# KiCad board Monorail_Diesel_Reduced.kicad_pcb (continued)
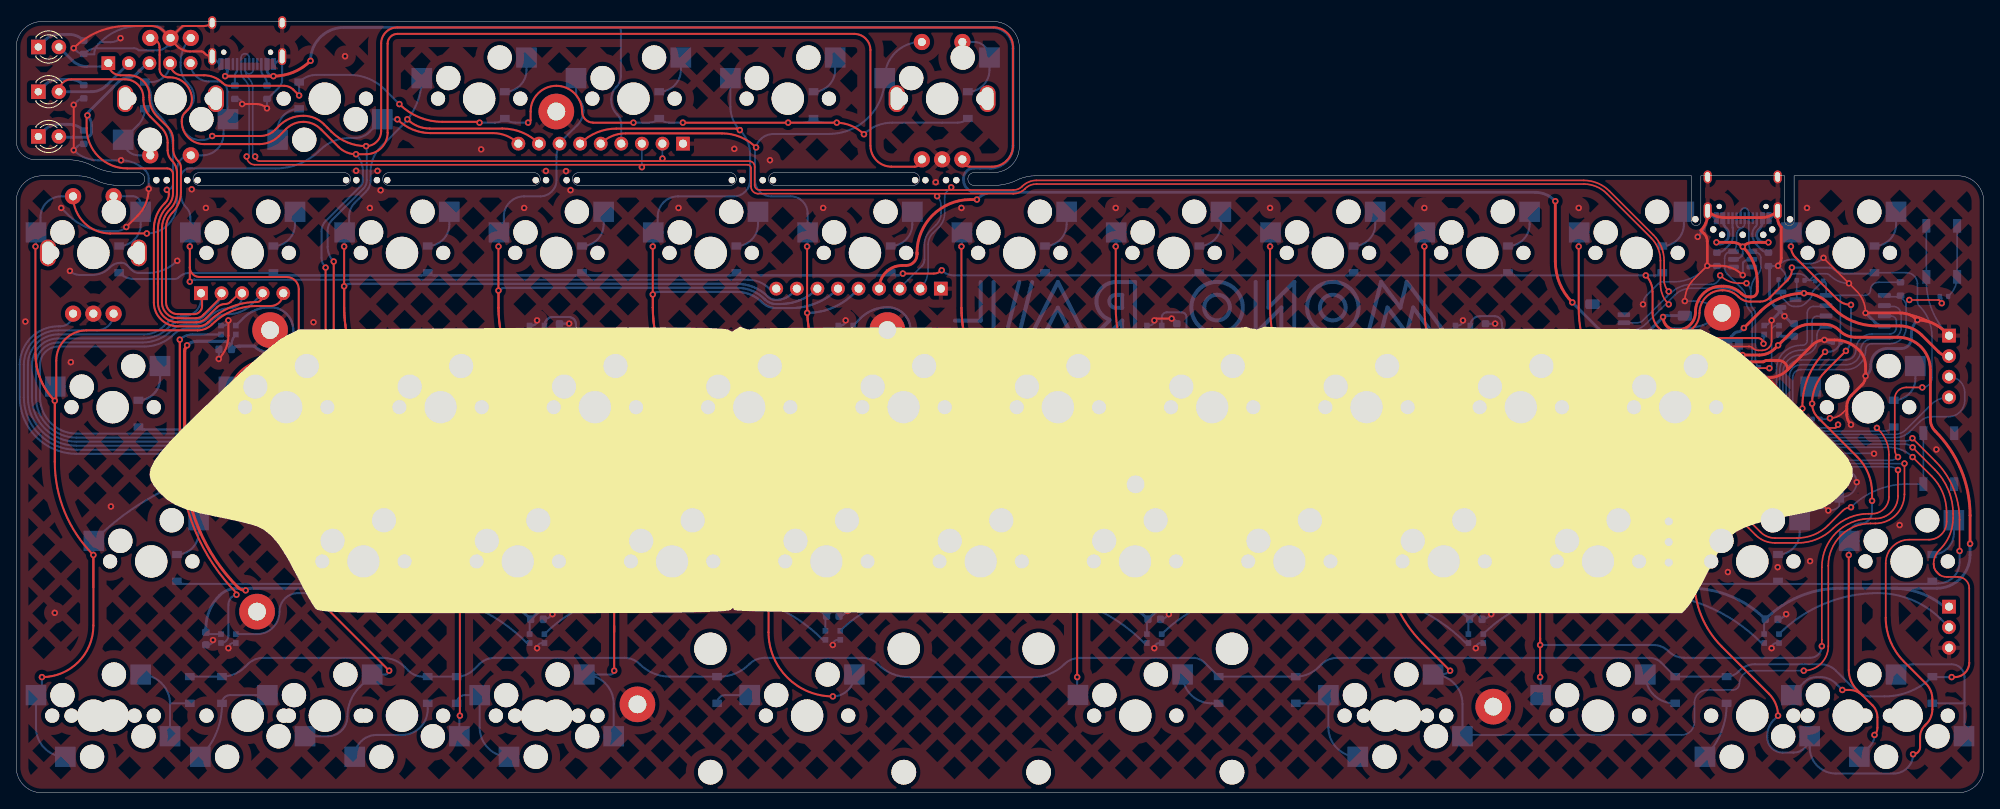
[diagram p0: board, top side]
## Routing (per net, layer and track width the routed paths; a pad name or vN(x,y) marks a point on that pad's centre or on a via; arc(x,y) is an arc through that point) (continued)
COL5: length 269.9
  Top w0.25: v1(111.92,29.37) 109.13,32.16 arc(104.14,39.62) v1(102.39,48.42) arc(98.87,53.69) 97.63,59.92 v1(97.63,67.47) ; 97.64,59.92 arc(98.88,53.69) 102.4,48.42 arc(104.15,39.62) 109.14,32.16 ; J2.5 arc(73.56,81.11) 75.22,81.44 87.14,81.44 arc(89.41,80.99) v1(91.33,79.7)
  Bottom w0.2: 203.69,38.36 207.13,38.36 arc(207.84,38.5) 208.43,38.9 arc(209.1,39.34) 209.88,39.5 211.42,39.5 arc(212.41,39.7) U4.29
  Bottom w0.25: 103.99,62.26 103.37,61.64 arc(100.75,59.89) 97.65,59.27 ; MX37.1 111.98,29.51 arc(111.96,29.43) v1(111.92,29.37) ; 102.46,50.16 102.46,48.56 arc(102.45,48.48) 102.4,48.42 ; 203.69,38.36 143.87,38.36 arc(141.78,38.78) 140.01,39.96 arc(139.24,40.48) 138.32,40.66 138.1,40.66 arc(137.19,40.48) 136.41,39.96 arc(134.64,38.78) 132.55,38.36 129.49,38.36 ; SW1.S2 111.67,92.72 arc(108.52,91.42) MX1.1 arc(105.19,83.38) 100.31,81.36 93.49,81.36 arc(91.87,80.69) 91.19,79.06 91.19,75.66 arc(91.78,74.25) 93.19,73.66 95.59,73.66 arc(97.08,73.05) 97.69,71.57 MX13.1 97.69,67.61 arc(97.67,67.53) v1(97.63,67.47) ; MX25.1 102.45,48.56 arc(102.44,48.48) v1(102.39,48.42) ; J3.5 103.36,61.64 arc(100.74,59.89) v1(97.64,59.27) ; 111.99,31.11 arc(120.02,36.48) 129.48,38.36 132.54,38.36 arc(134.63,38.78) 136.4,39.96
COL6: length 189.1
  Top w0.25: v1(116.68,67.47) 116.68,59.92 arc(117.92,53.69) v1(121.44,48.42) arc(123.19,39.62) 128.18,32.16 v1(130.97,29.37) v1(130.97,14.29) ; 116.69,59.92 arc(117.93,53.69) 121.45,48.42 arc(123.2,39.62) 128.19,32.16
  Bottom w0.2: 203.69,37.86 207.09,37.86 arc(207.93,38.03) 208.63,38.5 arc(209.3,38.94) 210.08,39.1 213.3,39.1 arc(213.73,39.19) U4.28
  Bottom w0.25: 203.69,37.86 145.13,37.86 arc(142.23,37.29) 139.78,35.65 ; 136.41,34.23 135.57,34.23 arc(134.27,33.98) 133.16,33.23 131.04,31.11 ; v1(130.97,14.29) 130.97,12.29 arc(130.99,12.17) MX49.1 ; v1(130.97,29.37) 130.97,30.97 ; v1(121.44,48.42) 121.44,50.02 ; MX12.1 116.74,67.61 arc(116.72,67.53) v1(116.68,67.47) ; 121.45,48.42 121.45,50.02 ; 131.04,31.11 133.16,33.23 arc(134.27,33.98) 135.58,34.23 136.41,34.23 arc(138.22,34.59) 139.75,35.62
COL7: length 114.6
  Top w0.25: v1(135.73,67.47) 135.73,59.92 arc(136.97,53.69) v1(140.49,48.42) arc(142.24,39.62) 147.23,32.16 v1(150.02,29.37)
  Bottom w0.2: U4.27 214.49,38.94 arc(214.47,38.81) 214.39,38.7 arc(214.35,38.67) 214.29,38.66 210.19,38.66 arc(209.45,38.52) 208.83,38.1 arc(208.01,37.55) 207.05,37.36 165.16,37.36 arc(157,35.74) MX35.1 arc(150.09,31.12) 150.09,31.13
  Bottom w0.25: MX35.1 150.08,29.51 arc(150.06,29.43) v1(150.02,29.37) ; MX11.1 135.79,67.61 arc(135.77,67.53) v1(135.73,67.47) ; v1(140.49,48.42) 140.49,50.02
COL8: length 170
  Top w0.2: v1(233.09,40.66) 233.09,36.86 arc(232.04,34.32) 229.49,33.26 228.89,33.26 arc(225.22,31.74) 223.69,28.06 223.69,18.11 arc(222.81,15.97) v1(220.66,15.08)
  Top w0.25: v1(177.01,15.08) 173.56,18.53 arc(170.24,23.5) v1(169.07,29.37) 166.28,32.16 arc(161.29,39.62) v1(159.54,48.42) arc(156.02,53.69) 154.78,59.92 v1(154.78,67.47)
  Bottom w0.2: v1(220.66,15.08) 214.31,15.08 arc(213.19,14.62) 212.72,13.49 arc(212.49,12.93) 211.93,12.7 208.76,12.7 arc(207.63,12.24) 207.17,11.11 207.17,8.73 arc(206.7,7.61) 205.58,7.14 178.69,7.14 arc(178.58,7.1) MX47.1 ; U4.13 v1(233.09,40.66)
  Bottom w0.25: MX10.1 154.84,67.61 arc(154.82,67.53) v1(154.78,67.47) ; MX47.1 178.53,10.98 arc(177.47,13.54) MX48.2 175.86,14.6 arc(176.48,14.73) v1(177.01,15.08) ; v1(169.07,29.37) 169.07,30.97 ; MX23.1 159.6,48.56 arc(159.59,48.48) v1(159.54,48.42)
COL9: length 141.2
  Top w0.2: v1(232.29,39.86) 232.29,36.66 arc(231.47,34.68) 229.49,33.86 228.89,33.86 arc(224.65,32.11) 222.89,27.86 v1(222.89,18.11)
  Top w0.25: 188.12,19.05 v1(188.12,29.37) 185.33,32.16 arc(180.34,39.62) v1(178.59,48.42) arc(175.07,53.69) 173.83,59.92 v1(173.83,67.47) ; 188.12,19.05 v1(188.12,18.26) ; 188.12,19.05 v1(188.12,14.29)
  Bottom w0.2: U4.14 231.33,40.26 arc(231.85,40.16) v1(232.29,39.86)
  Bottom w0.25: v1(188.12,18.26) 202.08,18.26 arc(203.11,18.05) 203.99,17.46 arc(204.87,16.88) 205.91,16.67 221.46,16.67 arc(222.47,17.09) v1(222.89,18.11) ; MX9.1 173.89,67.61 arc(173.87,67.53) v1(173.83,67.47) ; v1(178.59,48.42) 178.59,50.02 ; MX33.1 188.18,29.51 arc(188.16,29.43) v1(188.12,29.37) ; MX46.1 188.18,14.15 arc(188.16,14.22) v1(188.12,14.29)
COL10: length 159.8
  Top w0.2: v1(234.09,41.46) 236.46,39.1 arc(237.82,37.06) 238.29,34.66 238.29,33.46 arc(237.65,31.91) 236.09,31.26 233.69,31.26 arc(231.63,30.41) 230.78,28.36 230.78,21.63
  Top w0.25: v1(192.88,67.47) 192.88,59.92 arc(194.12,53.69) v1(197.64,48.42) arc(198.69,43.15) 201.68,38.68 205.69,34.66 arc(206.79,33.03) 207.17,31.1 v1(207.17,29.37) 207.17,26.19 arc(208.04,21.79) 210.54,18.06 216.36,12.24 arc(217.2,10.99) v1(217.49,9.52) ; v1(234.16,4.76) arc(234.77,5.02) 235.02,5.63 235.02,6.9 arc(235.17,7.66) 235.6,8.3 235.77,8.47 arc(236.34,9.32) 236.54,10.32 236.54,11.58 arc(236.33,12.61) 235.74,13.49 233.03,16.21 arc(231.36,18.7) 230.78,21.63
  Bottom w0.2: U4.8 231.2,42.66 arc(232.76,42.35) v1(234.09,41.46)
  Bottom w0.25: MX8.1 192.94,67.61 arc(192.92,67.53) v1(192.88,67.47) ; MX21.1 197.7,48.56 arc(197.69,48.48) v1(197.64,48.42) ; v1(217.49,9.52) 216.97,9 arc(216.36,8.1) 216.15,7.03 216.15,6.87 arc(216.71,5.53) 218.05,4.97 219.38,4.97 arc(220.81,5.56) MX45.1 221.4,5.61 arc(222.34,3.33) 224.63,2.38 231.78,2.38 arc(233.46,3.08) v1(234.16,4.76) ; MX32.1 207.23,29.51 arc(207.21,29.43) v1(207.17,29.37)
COL11: length 95.3
  Top w0.2: v1(224.89,45.46) arc(224.78,45.18) 224.49,45.06 223.84,45.06 arc(223.7,45.09) 223.59,45.16
  Top w0.25: v1(229.09,36.06) 229.09,37.06 arc(228.62,39.46) 227.26,41.5 222.4,46.36 arc(221.88,47.14) v1(221.69,48.06) arc(222.12,50.22) 223.35,52.05 v1(225.87,54.57) ; v1(226.22,29.37) 226.22,15.17 arc(226.48,13.84) 227.24,12.71 227.93,12.03 ; 227.93,12.03 229.15,10.8 arc(229.6,10.13) 229.76,9.33 229.76,8.02 arc(229.66,7.55) v1(229.39,7.14) ; 227.93,12.03 arc(227.18,12.52) 226.3,12.7 v1(225.42,12.7) ; v1(226.49,60.26) arc(225.57,60.45) 224.79,60.97 219.63,66.12 arc(219.22,66.74) v1(219.07,67.47)
  Bottom w0.2: U4.2 224.49,45.06 arc(224.78,45.18) v1(224.89,45.46)
  Bottom w0.25: v1(225.42,12.7) 224.63,13.49 arc(223.75,14.08) 222.71,14.29 222.25,14.29 arc(221.42,14.12) 220.72,13.66 MX44.1 ; MX43.2 228.81,5.73 arc(229.24,6.38) v1(229.39,7.14) ; MX7.1 219.13,67.61 arc(219.12,67.53) v1(219.07,67.47) ; v1(221.69,48.06) 221.69,49.73 arc(221.65,49.97) MX20.1 ; v1(229.09,36.06) 229.09,34.66 arc(228.68,33.67) 227.69,33.26 arc(226.69,32.85) 226.28,31.85 MX31.1 226.28,29.51 arc(226.26,29.43) v1(226.22,29.37) ; v1(226.49,60.26) 226.49,56.09 arc(226.33,55.27) v1(225.87,54.57)
D+: length 262.4
  Top w0.2: 76.99,78.01 90.48,78.01 arc(90.96,77.81) 91.16,77.34 91.16,75.05 arc(91.34,74.62) 91.77,74.44 123.11,74.44 arc(123.68,74.55) 124.17,74.88 124.19,74.9 arc(125,75.44) 125.96,75.63 193.49,75.63 arc(195.21,75.29) 196.67,74.31 202.11,68.88 arc(203.08,67.42) 203.42,65.7 203.42,63.33 ; v1(213.59,62.93) 212.68,62.93 arc(211.42,63.18) v1(210.34,63.9) ; v1(29.5,78.58) arc(29.66,78.18) 30.07,78.01 79.94,78.01 79.87,78.08 arc(79.8,78.2) v1(79.77,78.33) ; 203.42,63.29 arc(203.57,62.54) v1(203.99,61.91)
  Bottom w0.2: v1(213.59,62.93) 213.74,62.78 arc(214.02,62.36) 214.12,61.87 ; J7.3 200.11,58.05 arc(200.49,58.12) 200.82,58.34 203.71,61.23 ; J2.2 v1(79.77,78.33) ; v1(115.42,74.77) 114.91,74.26 arc(114.69,73.94) 114.62,73.56 114.62,71.6 arc(114.43,70.65) 113.89,69.84 113.15,69.11 arc(112.72,68.46) 112.57,67.69 112.57,64.59 arc(112.32,63.33) J3.2 ; v1(29.5,78.58) 29.2,78.88 29.2,87.09 arc(29.08,87.69) 28.74,88.19 arc(28.39,88.72) 28.26,89.35 ; J5.B6 29.26,89.3 arc(29.11,88.94) 28.75,88.79 arc(28.41,88.94) 28.26,89.28 28.26,90.61 ; 203.71,61.23 204.14,61.67 arc(204.19,61.7) 204.25,61.71 arc(205.44,62.51) 206.84,62.78 209.23,62.78 arc(210.02,63.11) v1(210.34,63.9) ; 203.71,61.23 arc(203.92,61.55) v1(203.99,61.91) ; J6.A6 212.87,71.68 arc(212.91,71.89) 213.03,72.07 213.07,72.11 arc(213.2,72.19) 213.35,72.22 213.39,72.22 arc(213.55,72.19) 213.68,72.1 arc(213.82,71.89) 213.87,71.64 J6.B6 213.87,67.77 arc(213.97,67.26) U1.1 ; 214.12,61.87 214.12,60.56 arc(214.22,60.08) 214.49,59.66 arc(214.64,59.44) 214.69,59.18 214.69,53.54 arc(214.8,53.02) R11.2 ; 214.12,61.87 arc(214.36,63.08) 215.05,64.11 arc(215.29,64.46) 215.37,64.88 215.37,66.08 arc(215.32,66.32) 215.18,66.53 arc(214.85,66.75) 214.46,66.83
D-: length 260.7
  Top w0.2: v1(77.24,77.26) 77.52,77.54 arc(77.54,77.56) 77.56,77.56 29.47,77.56 arc(28.75,77.86) v1(28.45,78.58) ; 76.99,77.56 90.3,77.56 arc(90.59,77.44) 90.71,77.15 90.71,74.87 arc(90.97,74.25) 91.58,73.99 123.09,73.99 arc(123.86,74.14) 124.5,74.58 124.52,74.6 arc(125.17,75.03) 125.94,75.18 193.51,75.18 arc(195.04,74.88) 196.34,74.01 201.8,68.55 arc(202.67,67.25) 202.97,65.72 202.97,62.78 arc(203.24,61.45) v1(203.99,60.32)
  Bottom w0.2: 212.86,69.75 212.62,69.5 arc(212.43,69.22) 212.37,68.89 212.37,67.75 arc(212.27,67.25) U1.6 ; 212.86,69.75 212.91,69.75 arc(213.03,69.77) 213.13,69.84 213.21,69.92 arc(213.33,70.1) 213.37,70.31 J6.A7 ; 212.86,69.75 arc(212.68,69.78) 212.53,69.89 arc(212.41,70.06) 212.37,70.26 J6.B7 ; 213.52,61.12 213.52,60.85 arc(213.67,60.1) 214.09,59.46 arc(214.24,59.24) 214.29,58.98 214.29,53.87 arc(214.15,53.17) R10.2 ; 213.52,61.12 arc(213.4,61.72) 213.06,62.23 211.22,64.07 arc(210.98,64.43) 210.89,64.86 210.89,66.03 arc(210.95,66.35) 211.13,66.61 arc(211.37,66.77) 211.66,66.83 ; 213.52,61.12 arc(212.2,62) 210.64,62.31 206.77,62.31 arc(205.67,62.09) 204.74,61.47 201.22,57.94 arc(200.22,57.28) 199.05,57.05 ; v1(28.45,78.58) 28.75,78.88 28.75,86.73 arc(28.6,87.48) 28.18,88.11 arc(27.87,88.57) 27.76,89.11 J5.B7 27.76,90.79 arc(27.91,91.14) 28.26,91.28 arc(28.61,91.13) 28.76,90.78 J5.A7 ; J3.3 109.06,62.32 111.8,65.06 arc(112.04,65.42) 112.13,65.85 ; J2.3 77.23,77.27 arc(77.23,77.27) v1(77.24,77.26) ; v1(113.68,73.68) arc(114.04,73.14) 114.17,72.5 114.17,71.58 arc(114.02,70.82) 113.58,70.17 112.85,69.44 arc(112.31,68.63) 112.12,67.67 112.12,65.85 arc(112.03,65.42) 111.79,65.06
ENCA: length 450.8
  Top w0.2: v1(220.43,39.5) 220.43,36.7 arc(220.14,35.99) 219.42,35.69 216.42,35.69 arc(215.87,35.58) 215.41,35.28 arc(215.16,35.1) 214.85,35.04 214.83,35.04 arc(214.05,35.2) 213.4,35.63 213.18,35.86 arc(212.87,36.06) 212.51,36.13 211.54,36.13 arc(211.11,36.05) 210.76,35.81 210.65,35.71 arc(210.12,35.35) 209.5,35.23 arc(208.76,35.38) 208.14,35.79 207.63,36.3 arc(206.3,38.29) 205.83,40.65 v1(205.83,42.1)
  Top w0.25: v1(39.19,65.61) 39.19,57.27 arc(40.23,52.04) 43.19,47.61 arc(44.49,45.67) 44.94,43.39 v1(44.94,42.11) ; v1(24.19,81.11) 30.13,81.11 arc(31.11,81.31) 31.94,81.86 32.46,82.38 arc(33.83,83.29) 35.44,83.61 arc(36.83,83.34) 38,82.55 38.93,81.63 arc(40.88,80.32) v1(43.19,79.86) arc(44.51,80.41) 45.05,81.72 45.05,92.52 arc(45.64,93.94) 47.05,94.52 120.65,94.52 arc(122.35,93.82) 123.05,92.12 123.05,79.92 arc(122.29,78.09) 120.45,77.32 117.7,77.32 arc(117.06,77.59) SW1.B
  Bottom w0.2: U4.15 220.36,39.43 arc(220.41,39.45) v1(220.43,39.5)
  Bottom w0.25: 48.44,41.86 45.19,41.86 arc(45.02,41.94) v1(44.94,42.11) ; 48.44,41.86 132.56,41.86 arc(133.34,42.02) 134,42.46 ; 48.44,41.86 arc(48.12,41.93) 47.84,42.11 arc(47.56,42.3) 47.24,42.36 7.44,42.36 arc(2.85,44.27) 0.94,48.86 0.94,52.86 arc(2.19,55.87) 5.19,57.11 9.96,57.11 arc(11.42,57.72) SW3.A ; SW2.B arc(20.62,91.84) 20.3,90.2 20.3,89.78 arc(20.53,88.6) 21.19,87.61 21.24,87.57 arc(21.76,86.79) 21.94,85.86 arc(21.81,85.17) 21.41,84.58 20.97,84.14 arc(20.58,83.56) 20.44,82.86 arc(21.1,81.27) 22.69,80.61 22.99,80.61 arc(23.64,80.74) v1(24.19,81.11) ; v1(205.83,42.1) arc(205.57,41.92) 205.26,41.86 143.86,41.86 arc(143.08,42.02) 142.41,42.46 arc(140.53,43.72) 138.31,44.16 138.12,44.16 arc(135.89,43.72) 134.01,42.46 ; v1(39.19,65.61) arc(38.64,66.44) 38.44,67.42 38.44,69.36 arc(38.6,70.13) 39.03,70.79 42.85,74.6 arc(43.16,75.07) 43.27,75.63 43.27,79.67 arc(43.25,79.77) v1(43.19,79.86)
ENCB: length 424.5
  Top w0.25: v1(38.19,64.86) 38.19,56.62 arc(39.3,51.07) 42.44,46.36 arc(43.18,45.25) 43.44,43.95 v1(43.44,41.61) ; SW1.A arc(111.54,77.59) 110.9,77.32 108.05,77.32 arc(106.21,78.09) 105.45,79.92 105.45,91.72 arc(104.86,93.14) 103.45,93.72 47.05,93.72 arc(46.2,93.37) 45.85,92.52 45.85,81.52 arc(45.07,79.64) 43.19,78.86 v1(41.94,78.86) arc(40.79,79.09) 39.81,79.75 37.58,81.98 arc(36.6,82.63) 35.44,82.86 arc(34.29,82.63) 33.31,81.98 32.44,81.11 arc(31.34,80.37) 30.03,80.11 23.19,80.11 arc(21.25,80.92) 20.44,82.86 20.44,83.11 arc(20.54,83.57) 20.8,83.97 21.16,84.33 arc(21.56,84.92) 21.69,85.61 arc(20.89,87.56) 18.94,88.36 18.69,88.36 arc(17.99,88.66) 17.69,89.36 17.69,92.08 arc(17.36,92.89) SW2.A
  Bottom w0.2: U4.36 209.63,43.06 arc(208.58,42.85) 207.69,42.26 arc(206.7,41.6) 205.52,41.36 205.39,41.36
  Bottom w0.25: 205.39,41.36 143.8,41.36 arc(142.89,41.54) 142.11,42.06 arc(140.34,43.25) 138.25,43.66 138.17,43.66 arc(136.08,43.25) 134.31,42.06 arc(133.54,41.54) 132.62,41.36 ; 132.61,41.36 44.19,41.36 ; 44.19,41.36 31.94,41.36 arc(31.62,41.43) 31.34,41.61 arc(31.06,41.8) 30.74,41.86 ; 44.19,41.36 44.05,41.36 arc(43.72,41.43) v1(43.44,41.61) arc(43.17,41.8) 42.84,41.86 7.44,41.86 arc(2.49,43.91) 0.44,48.86 0.44,52.86 arc(1.83,56.22) 5.19,57.61 5.46,57.61 arc(6.57,58.07) SW3.B ; v1(41.94,78.86) arc(42.58,77.92) 42.8,76.8 42.8,75.59 arc(42.73,75.24) 42.53,74.95 38.22,70.64 arc(37.83,70.06) 37.69,69.36 37.69,66.07 arc(37.82,65.42) v1(38.19,64.86)
LED1: length 296.8
  Top w0.25: J4.1 arc(22.9,61.66) 22.94,61.56 22.94,60.11 arc(22.65,59.41) 21.94,59.11 19.94,59.11 arc(18.92,59.54) 18.49,60.56 18.49,69.73 arc(18.7,70.78) 19.29,71.66 arc(20.06,72.81) 20.33,74.17 20.33,77.23 arc(20.25,77.64) 20.02,77.99 arc(19.54,78.71) 19.37,79.55 19.37,80.59 arc(19.2,81.47) 18.7,82.22 17.43,83.49 arc(16.7,84.58) 16.44,85.86 16.44,86.11 arc(15.71,87.88) 13.94,88.61 12.87,88.61 arc(11.81,89.05) J1.1
  Bottom w0.2: 205.94,42.86 207.33,42.86 arc(207.85,42.97) 208.29,43.26 arc(208.52,43.41) 208.78,43.46 U4.37
  Bottom w0.25: 205.94,42.86 143.84,42.86 arc(143.44,42.94) 143.11,43.16 arc(140.9,44.64) 138.28,45.16 138.14,45.16 arc(135.53,44.64) 133.31,43.16 arc(132.98,42.94) 132.59,42.86 ; J4.1 22.81,60.97 arc(22.19,59.48) 20.69,58.86 arc(19.54,58.63) 18.56,57.98 18.19,57.61 arc(17.09,56.87) 15.78,56.61 5.19,56.61 arc(2.54,55.51) 1.44,52.86 1.44,48.86 arc(3.2,44.62) 7.44,42.86 132.58,42.86 arc(132.97,42.94) 133.3,43.16 ; 8.73,89.69 10.36,89.69 arc(10.9,89.8) J1.1
  Bottom w0.35: D1.2 6.94,90.43 arc(7.76,89.89) 8.73,89.69
LED2: length 307.8
  Top w0.25: D2.2 arc(5.72,87.66) 6.8,88.11 13.44,88.11 arc(15.03,87.45) 15.69,85.86 15.69,85.61 arc(15.92,84.46) 16.58,83.48 17.94,82.11 arc(18.5,81.28) 18.69,80.3 18.69,79.32 arc(18.82,78.67) 19.19,78.11 arc(19.68,77.39) 19.85,76.53 19.85,74.13 arc(19.63,73.01) 18.99,72.06 arc(18.25,70.95) 17.99,69.65 17.99,60.56 arc(18.56,59.18) 19.94,58.61 22.19,58.61 arc(22.66,58.7) 23.05,58.97 25.04,60.96 arc(25.27,61.3) 25.35,61.7
  Bottom w0.2: 205.94,43.36 207.37,43.36 arc(207.76,43.44) 208.09,43.66 arc(208.32,43.81) 208.58,43.86 U4.38
  Bottom w0.25: 205.94,43.36 143.91,43.36 arc(143.63,43.42) 143.4,43.57 143.31,43.66 arc(141.1,45.14) 138.48,45.66 137.96,45.66 arc(135.38,45.15) 133.19,43.69 arc(132.83,43.45) 132.4,43.36 ; 133.18,43.69 arc(132.82,43.45) 132.4,43.36 7.44,43.36 arc(3.55,44.97) 1.94,48.86 1.94,52.86 arc(2.9,55.16) 5.19,56.11 15.68,56.11 arc(17.31,56.44) 18.69,57.36 18.81,57.48 arc(19.79,58.13) 20.94,58.36 21.99,58.36 arc(22.64,58.49) 23.19,58.86 24.86,60.53 arc(25.22,61.07) 25.35,61.7
  Bottom w0.35: D2.2 9.27,86.58 arc(10.3,86.79) 11.16,87.37 J1.2
LED3: length 311
  Top w0.25: 17.49,63.06 17.49,69.57 arc(17.81,71.13) 18.69,72.46 arc(19.19,73.2) 19.36,74.07 19.36,76.4 arc(19.15,76.9) 18.64,77.11 13.69,77.11 arc(10.16,78.58) 8.69,82.11 8.69,83.56 arc(8.72,83.63) v1(8.79,83.66) ; 17.49,63.06 17.49,60.56 arc(18.21,58.83) 19.94,58.11 22.24,58.11 arc(22.89,58.24) 23.44,58.61 24.78,59.95 arc(25.24,60.26) 25.78,60.36 arc(26.16,60.44) 26.49,60.66 27.28,61.45 arc(27.56,61.63) 27.89,61.7 ; 17.49,63.06 17.49,62.77
  Bottom w0.2: 205.94,43.86 207.41,43.86 arc(207.67,43.91) 207.89,44.06 arc(208.12,44.21) 208.38,44.26 U4.39
  Bottom w0.25: 205.94,43.86 144.09,43.86 arc(143.83,43.91) 143.61,44.06 arc(141.28,45.62) 138.54,46.16 137.87,46.16 arc(135.21,45.63) 132.96,44.13 arc(132.67,43.93) 132.31,43.86 ; 27.89,61.7 27.89,61.3 arc(27.46,60.28) 26.44,59.86 arc(25.06,59.59) 23.88,58.8 23.69,58.61 arc(22.86,58.06) 21.88,57.86 21,57.86 arc(20.02,57.67) 19.19,57.11 arc(17.53,56) 15.57,55.61 5.19,55.61 arc(3.25,54.81) 2.44,52.86 2.44,48.86 arc(3.91,45.33) 7.44,43.86 132.31,43.86 arc(132.66,43.93) 132.96,44.13
  Bottom w0.35: 5.5,80.96 8.65,80.96 arc(9.11,81.15) 9.3,81.61 9.3,82.44 arc(9.17,83.1) v1(8.79,83.66) arc(8.85,83.94) 9.01,84.17 12.69,87.86 arc(13.25,88.23) 13.9,88.36 13.94,88.36 arc(14.41,88.45) 14.8,88.72 16.01,89.93 arc(16.21,90.07) J1.3
QSPI_CLK: length 16.4
  Bottom w0.2: U4.52 217.69,52.06 arc(218.46,53.9) 220.29,54.66 220.49,54.66 arc(221.34,55.01) 221.69,55.86 221.69,58.26 arc(221.87,58.69) 222.29,58.86 223.38,58.86 arc(223.4,58.87) U3.6
QSPI_D0: length 14.5
  Bottom w0.2: U4.53 218.09,51.86 arc(218.74,53.42) 220.29,54.06 220.49,54.06 arc(221.77,54.59) 222.29,55.86 222.29,56.51 arc(222.62,57.3) U3.5
QSPI_D1: length 26.7
  Bottom w0.2: U4.55 218.89,51.46 arc(219.3,52.45) 220.29,52.86 225.89,52.86 arc(227.17,53.39) 227.69,54.66 arc(228.1,55.65) 229.09,56.06 231.29,56.06 arc(232.28,56.47) 232.69,57.46 232.69,59.06 arc(232.4,59.77) 231.69,60.06 230.72,60.06 arc(230.64,60.09) U3.2
QSPI_D2: length 24.9
  Bottom w0.2: U4.54 218.49,51.66 arc(219.02,52.94) 220.29,53.46 225.89,53.46 arc(226.74,53.81) 227.09,54.66 arc(227.68,56.08) 229.09,56.66 231.29,56.66 arc(231.86,56.9) 232.09,57.46 232.09,58.26 arc(231.92,58.69) 231.49,58.86 230.65,58.86 arc(230.62,58.87) U3.3
QSPI_D3: length 18.1
  Bottom w0.2: U4.51 217.29,52.26 arc(218.17,54.38) 220.29,55.26 220.49,55.26 arc(220.92,55.44) 221.09,55.86 221.09,59.26 arc(221.33,59.83) 221.89,60.06 223.31,60.06 arc(223.38,60.09) U3.7
QSPI_SS: length 35.1
  Top w0.2: v1(233.69,60.86) 237.29,60.86 arc(237.58,60.75) v1(237.69,60.46)
  Bottom w0.2: U4.56 219.29,51.26 arc(219.59,51.97) 220.29,52.26 225.89,52.26 arc(227.59,52.97) 228.29,54.66 arc(228.53,55.23) 229.09,55.46 231.29,55.46 arc(232.71,56.05) 233.29,57.46 233.29,60.06 ; 233.29,60.06 233.29,60.46 arc(233.41,60.75) v1(233.69,60.86) ; 233.29,60.06 arc(232.94,60.91) 232.09,61.26 230.79,61.26 arc(230.66,61.31) U3.1 ; v1(237.69,60.46) 237.69,61.08 arc(237.63,61.24) R9.1 arc(237.36,61.38) 237.24,61.4
RGB: length 25.3
  Top w0.2: v1(216.42,52.44) 211.27,52.44 arc(210.3,52.04) 209.89,51.06 209.89,50.86 arc(209.48,49.87) v1(208.49,49.46)
  Bottom w0.2: U4.41 209.29,45.06 arc(208.3,45.47) 207.89,46.46 207.89,48.86 arc(208.07,49.29) v1(208.49,49.46) ; D27.4 217.33,57.7 arc(216.88,57.51) 216.69,57.06 216.69,52.71 arc(216.61,52.52) v1(216.42,52.44)
RGB_OUT: length 24.1
  Bottom w0.25: 238.99,20.05 237.62,21.42 arc(234.03,23.82) 229.79,24.66 arc(223.21,23.35) 217.63,19.63
ROW0: length 356
  Top w0.2: v1(235.29,50.06) 233.29,50.06 arc(232.3,49.65) 231.89,48.66 231.89,42.43 arc(232,41.91) v1(232.29,41.46)
  Top w0.25: v1(219.19,64.86) 219.19,64.57 arc(219.06,63.92) 218.69,63.36 216.49,61.16 arc(215.94,60.79) 215.29,60.66 214.04,60.66 arc(213.26,60.82) 212.59,61.26 arc(211.71,61.85) 210.66,62.06 210.59,62.06 arc(208.61,61.24) 207.79,59.26 arc(207.03,57.42) 205.19,56.66 204.59,56.66 arc(202.76,57.42) 201.99,59.26 201.99,61.88 arc(201.78,62.97) v1(201.16,63.9) ; v1(109.45,64.12) 113.28,64.12 arc(113.81,64.23) v1(114.25,64.52)
  Bottom w0.2: U4.12 231.33,41.06 arc(231.85,41.17) v1(232.29,41.46) ; D21.1 233.33,64.23 arc(234.29,63.83) 234.69,62.86 234.69,60.72 arc(234.76,60.39) 234.94,60.11 arc(236.09,58.4) 236.49,56.37 236.49,51.26 arc(236.14,50.41) v1(235.29,50.06)
  Bottom w0.25: v1(219.19,64.86) 223.84,64.86 arc(224.17,64.8) 224.44,64.61 arc(225,64.24) 225.65,64.11 229.11,64.11 arc(229.26,64.14) D21.1 arc(229.36,64.25) 229.32,64.26 ; v1(114.25,64.52) arc(114.95,64.06) 115.77,63.9 126.19,63.9 arc(126.63,63.98) D16.1 arc(127.37,63.98) 127.81,63.9 145.24,63.9 arc(145.68,63.98) D17.1 arc(146.42,63.98) 146.86,63.9 164.29,63.9 arc(164.73,63.98) D18.1 arc(165.47,63.98) 165.91,63.9 183.34,63.9 arc(183.78,63.98) D19.1 arc(184.52,63.98) 184.96,63.9 v1(201.16,63.9) 202.39,63.9 arc(202.83,63.98) D20.1 ; 127.82,63.9 arc(127.38,63.98) 127.01,64.23 arc(126.64,63.98) 126.2,63.9 ; v1(109.45,64.12) arc(109.2,63.96) 108.9,63.9 108.77,63.9 arc(108.33,63.98) 107.96,64.23 arc(107.59,63.98) 107.15,63.9 89.72,63.9 arc(89.28,63.98) 88.91,64.23 arc(88.54,63.98) 88.1,63.9 70.67,63.9 arc(70.23,63.98) 69.86,64.23 arc(69.49,63.98) 69.05,63.9 51.62,63.9 arc(51.18,63.98) 50.81,64.23 arc(50.44,63.98) 50,63.9 32.57,63.9 arc(32.13,63.98) 31.76,64.23 ; 108.76,63.9 arc(108.32,63.98) D15.1 arc(107.58,63.98) 107.14,63.9 89.71,63.9 arc(89.27,63.98) D14.1 arc(88.53,63.98) 88.09,63.9 70.66,63.9 arc(70.22,63.98) D13.1 arc(69.48,63.98) 69.04,63.9 51.61,63.9 arc(51.17,63.98) D12.1 arc(50.43,63.98) 49.99,63.9 32.56,63.9 arc(32.12,63.98) D11.1 arc(31.72,64.21) 31.67,64.2 21.34,64.2 arc(20.69,64.07) 20.13,63.7 arc(19.85,63.51) 19.53,63.45 14.59,63.45 arc(13.57,63.65) D10.1